# KiCad board USB Cable Tester.kicad_pcb (continued)
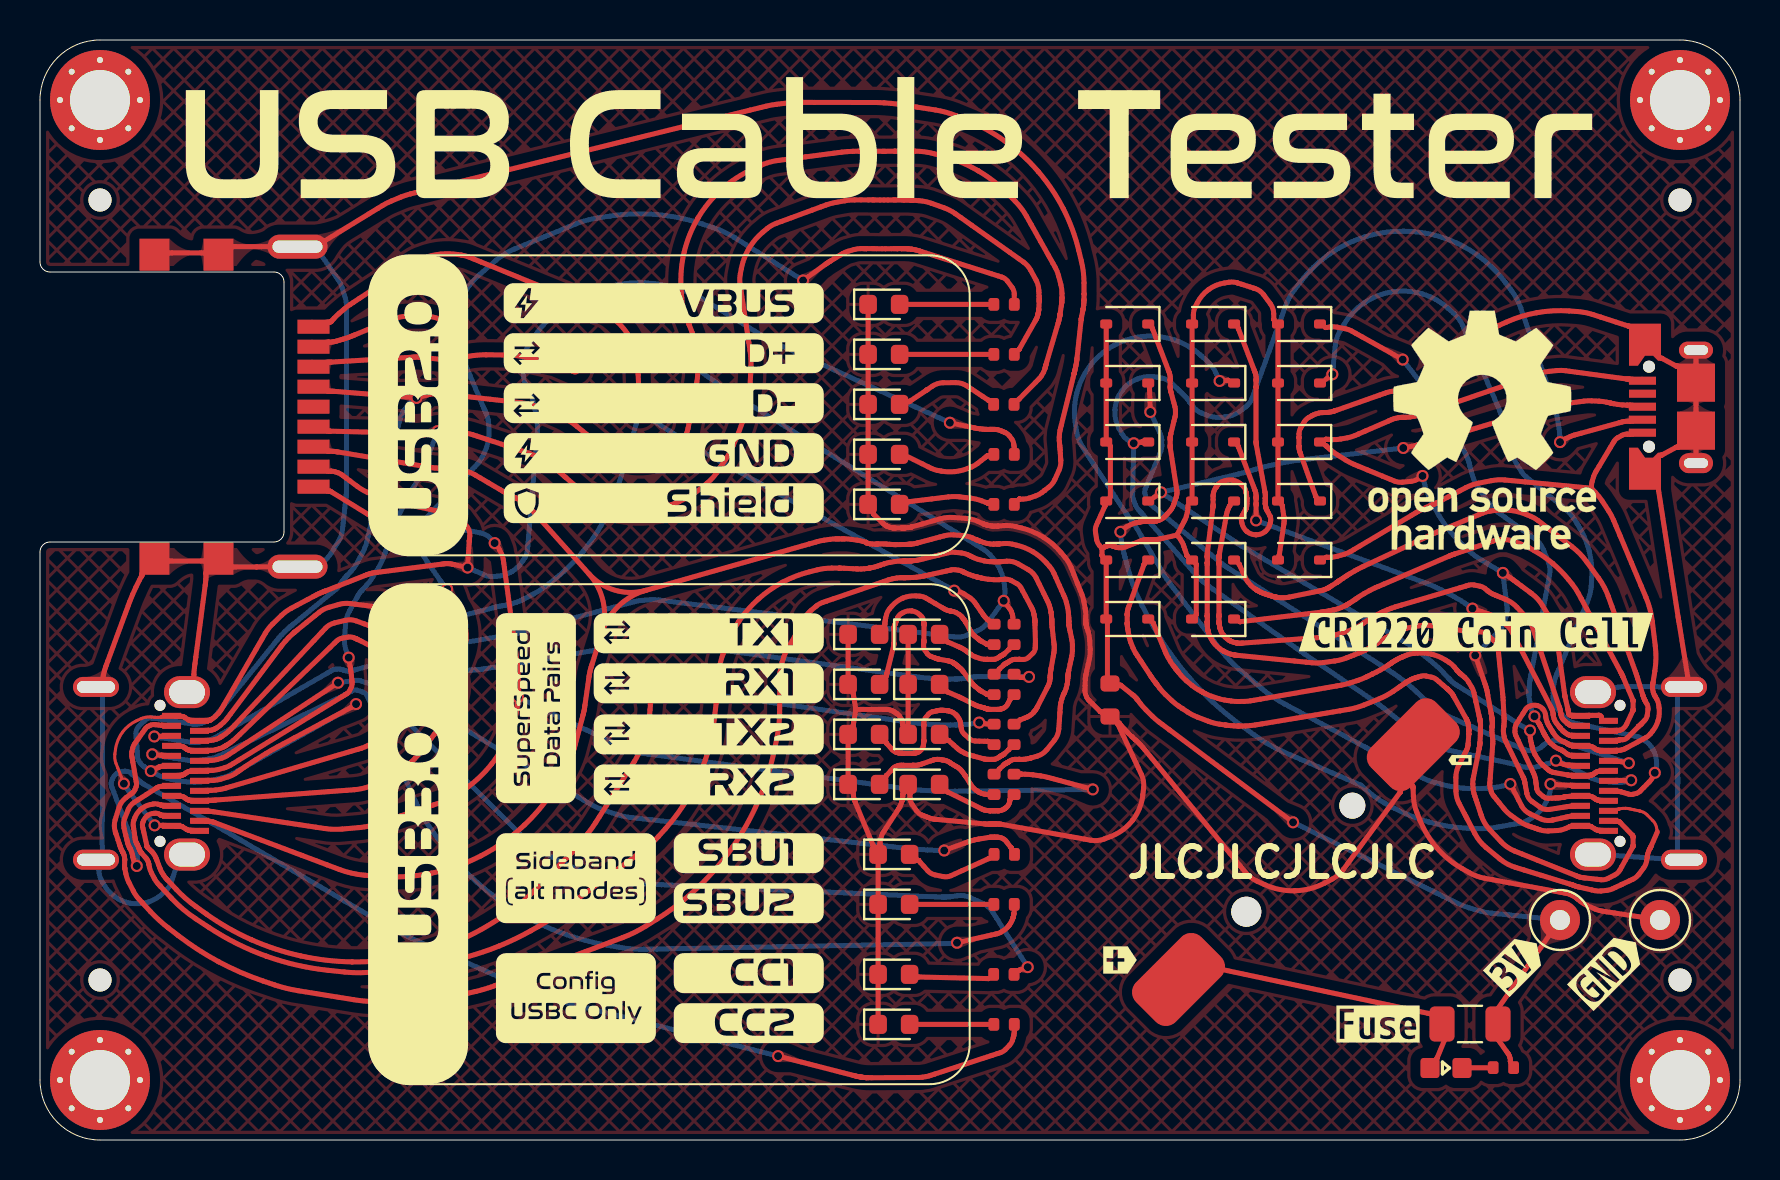
[diagram p0: board, top side]
## Routing (per net, layer and track width the routed paths; a pad name or vN(x,y) marks a point on that pad's centre or on a via; arc(x,y) is an arc through that point) (continued)
/SHLD: length 122
  Top w0.25: 48.96,32.04 48.96,32.04 arc(48.96,32.04) 48.96,32.04 48.96,32.04 arc(48.96,32.04) 48.96,32.04 48.97,32.04 arc(48.97,32.04) 48.97,32.04 49.15,32.04 arc(49.31,32.06) 49.47,32.1 49.79,32.21 arc(49.95,32.27) 50.09,32.37 50.21,32.46 arc(50.22,32.47) 50.23,32.47 arc(50.23,32.48) 50.24,32.49 50.44,32.64 arc(50.61,32.81) 50.74,33.02 50.95,33.49 arc(51.02,33.73) 51.04,33.97 51,34.56 arc(51,34.6) 51,34.63 arc(50.99,34.67) 50.99,34.7 50.96,34.96 arc(50.96,35.05) 50.96,35.13 50.97,35.31 arc(50.98,35.4) 51,35.49 51.07,35.74 51.7,38.32 arc(51.7,38.32) 51.7,38.32 arc(51.7,38.32) 51.7,38.32 51.71,38.33 arc(51.71,38.33) 51.71,38.33 arc(51.71,38.33) 51.71,38.34 51.71,38.35 arc(51.71,38.36) 51.72,38.37 arc(51.72,38.38) 51.72,38.39 51.73,38.41 arc(51.73,38.43) 51.74,38.46 51.74,38.47 arc(51.75,38.51) 51.76,38.55 51.8,38.76 arc(51.81,38.8) 51.82,38.84 51.83,38.91 arc(51.83,38.94) 51.84,38.98 51.85,39.09 52.06,41.01 arc(52.06,41.01) 52.06,41.02 arc(52.06,41.03) 52.06,41.04 52.06,41.06 arc(52.06,41.07) 52.07,41.08 52.08,41.14 52.13,41.43 arc(52.14,41.47) 52.15,41.51 52.16,41.55 arc(52.16,41.55) 52.16,41.55 52.18,41.74 arc(52.18,41.74) 52.18,41.74 52.18,41.77 arc(52.19,41.81) 52.19,41.84 52.2,41.91 arc(52.2,41.94) 52.2,41.98 52.2,42.01 arc(52.2,42.01) 52.2,42.01 arc(52.2,42.01) 52.2,42.01 52.2,42.29 arc(52.2,42.3) 52.2,42.3 52.2,42.85 arc(52.17,43.41) 52.07,43.95 51.93,44.5 arc(51.61,45.56) 51.16,46.57 arc(50.59,47.53) 49.92,48.41 arc(49.15,49.21) 48.29,49.91 arc(47.35,50.51) 46.35,50.99 45.83,51.2 arc(45.31,51.38) 44.76,51.5 43.46,51.7 42.92,51.79 arc(42.74,51.81) 42.56,51.83 42.19,51.86 arc(42.01,51.87) 41.83,51.87 41,51.88 arc(41,51.88) 41,51.88 38.71,51.88 37.9,51.88 arc(37.63,51.87) 37.36,51.85 36.82,51.78 arc(36.55,51.74) 36.28,51.69 35.49,51.49 19.27,47.49 18.53,47.31 arc(18.28,47.24) 18.04,47.15 17.57,46.95 arc(17.33,46.84) 17.11,46.72 16.45,46.31 14.22,44.95 arc(14.08,44.86) 13.94,44.77 13.81,44.69 arc(13.8,44.68) 13.79,44.67 arc(13.77,44.67) 13.76,44.67 J1.10 9.61,44.67 arc(9.55,44.66) 9.5,44.63 9.19,44.44 arc(8.91,44.32) 8.61,44.31 8.36,44.35 arc(8.3,44.35) 8.24,44.35 6.41,44.35 arc(6.35,44.35) 6.29,44.35 5.72,44.27 ; J2.S1 2.95,22.65 arc(3.04,22.69) 3.09,22.78 3.12,23.02 arc(3.14,23.13) 3.16,23.23 3.22,23.44 arc(3.25,23.55) 3.28,23.65 3.39,23.95 4.27,26.35 4.48,26.91 arc(4.55,27.1) 4.63,27.28 4.8,27.65 arc(4.88,27.83) 4.98,28.01 5.09,28.21 arc(5.09,28.22) 5.09,28.23 5.1,28.24 arc(5.1,28.25) 5.1,28.26 5.1,28.33 arc(5.11,28.39) 5.14,28.44 5.51,28.83 arc(5.75,28.99) 6.04,29.01 6.29,28.96 arc(6.35,28.95) 6.41,28.95 8.24,28.95 arc(8.3,28.95) 8.36,28.96 8.61,29.01 ; 9.19,28.89 9.5,28.69 arc(9.55,28.66) 9.61,28.65 10.81,28.65 arc(10.82,28.65) 10.83,28.65 arc(10.84,28.65) 10.84,28.65 11.52,28.66 arc(11.97,28.67) 12.42,28.67 J1.10 ; 9.19,28.89 arc(8.94,28.95) 8.71,28.83 ; 9.19,28.89 arc(8.91,29.01) 8.61,29.01 ; 8.61,29.01 arc(8.72,28.96) 8.71,28.83 ; J2.S1 7.69,22.39 arc(7.7,22.4) 7.7,22.4 arc(7.7,22.41) 7.7,22.43 7.69,22.59 arc(7.68,22.76) 7.68,22.93 7.69,23.28 arc(7.7,23.45) 7.72,23.62 7.79,24.14 8.26,27.73 8.28,27.89 arc(8.29,27.94) 8.29,28 8.3,28.11 arc(8.3,28.16) 8.3,28.21 8.3,28.33 arc(8.31,28.39) 8.34,28.44 8.71,28.83
  Bottom w0.25: J1.10 13.77,28.67 arc(13.77,28.67) 13.78,28.67 arc(13.78,28.67) 13.78,28.67 14.07,28.85 arc(14.33,29.06) 14.54,29.32 14.9,29.9 arc(15.05,30.2) 15.12,30.53 15.24,31.55 15.31,32.24 arc(15.32,32.28) 15.32,32.33 15.32,32.41 arc(15.32,32.45) 15.33,32.5 15.33,35.45 15.33,38.01 15.33,41.67 arc(15.31,41.9) 15.26,42.13 15.12,42.58 arc(15.03,42.8) 14.91,43 14.51,43.59 14.03,44.3 arc(13.72,44.57) 13.32,44.67 J1.10 ; J2.S1 7.18,14.27 arc(7.03,14.23) 6.95,14.11 6.58,12.92 arc(6.49,12.72) 6.35,12.54 6.19,12.38 arc(5.84,12.1) 5.44,11.91 arc(5,11.82) 4.55,11.83 arc(4.12,11.95) 3.73,12.17 arc(3.4,12.47) 3.15,12.84 3.05,13.04 arc(2.97,13.25) 2.95,13.47 2.95,13.94 arc(2.93,13.99) 2.87,14.01 2.96,14.01 arc(3.08,14.06) 3.12,14.18 3.09,15.6 3.09,15.72 arc(3.09,15.76) 3.09,15.8 3.09,15.88 arc(3.1,15.92) 3.1,15.96 3.11,16.08 arc(3.12,16.12) 3.12,16.16 3.12,16.24 arc(3.12,16.28) 3.12,16.32 3.12,19.07 arc(3.12,19.08) 3.12,19.09 3.12,20.12 arc(3.12,20.17) 3.12,20.22 3.12,20.25 arc(3.12,20.27) 3.12,20.28 arc(3.12,20.3) 3.12,20.31 3.12,20.35 arc(3.12,20.4) 3.13,20.46 3.13,22.49 arc(3.08,22.61) 2.96,22.65 J2.S1
/TX1+: length 72.9
  Top w0.25: J2.A2 8.26,20.48 arc(8.33,20.48) 8.39,20.48 8.49,20.48 arc(8.54,20.49) 8.58,20.49 8.66,20.52 arc(8.7,20.53) 8.73,20.55 8.87,20.63 arc(8.96,20.69) 9.04,20.75 9.19,20.89 arc(9.26,20.96) 9.33,21.04 9.52,21.29 12.09,24.73 arc(12.17,24.84) 12.26,24.93 12.44,25.12 arc(12.53,25.21) 12.62,25.3 12.72,25.39 arc(12.73,25.39) 12.73,25.39 12.77,25.42 arc(12.81,25.46) 12.85,25.49 13.32,25.87 13.96,26.39 arc(14.19,26.53) 14.44,26.63 14.96,26.78 arc(15.23,26.83) 15.5,26.82 16.31,26.72 v1(16.97,26.64) ; 13.68,40.67 14.29,40.87 arc(14.35,40.89) 14.41,40.89 14.49,40.89 arc(14.5,40.89) 14.51,40.9 14.54,40.91 arc(14.55,40.91) 14.56,40.92 14.7,41.08 arc(14.83,41.21) 14.96,41.33 15.23,41.56 arc(15.37,41.68) 15.52,41.78 15.96,42.08 18.14,43.51 18.66,43.86 arc(18.84,43.96) 19.03,44.04 19.23,44.11 arc(19.63,44.23) 20.04,44.3 arc(20.45,44.31) 20.87,44.28 21.08,44.25 arc(21.28,44.2) 21.48,44.14 22.06,43.9 27.32,41.75 arc(27.55,41.65) 27.79,41.55 28,41.46 arc(28.02,41.45) 28.04,41.45 28.25,41.35 arc(28.44,41.24) 28.62,41.11 28.79,40.97 arc(29.1,40.67) 29.36,40.33 arc(29.58,39.95) 29.74,39.55 29.81,39.34 arc(29.86,39.13) 29.88,38.92 29.91,38.26 v1(29.98,36.38) ; 47.41,26 47.36,26.04 arc(47.33,26.07) 47.3,26.09 47.25,26.16 arc(47.22,26.19) 47.2,26.22 46.74,26.87 arc(46.63,27) 46.5,27.11 46.21,27.3 arc(46.06,27.38) 45.9,27.43 v1(45.71,27.47)
  Bottom w0.25: v1(16.97,26.64) 17.06,26.65 arc(17.13,26.67) 17.21,26.67 17.36,26.69 arc(17.44,26.7) 17.52,26.7 18.51,26.72 arc(18.62,26.72) 18.72,26.7 18.93,26.64 arc(19.03,26.61) 19.12,26.56 19.72,26.2 arc(19.85,26.14) 20,26.11 20.29,26.06 arc(20.44,26.06) 20.58,26.08 21.01,26.19 22.63,26.61 22.8,26.65 arc(22.86,26.66) 22.91,26.67 23.02,26.7 arc(23.08,26.71) 23.14,26.72 23.34,26.75 arc(23.46,26.77) 23.58,26.81 23.83,26.89 arc(23.95,26.93) 24.06,26.98 24.63,27.28 arc(25.04,27.52) 25.43,27.8 25.81,28.1 arc(26.52,28.74) 27.17,29.45 arc(27.74,30.22) 28.23,31.04 28.45,31.46 arc(28.65,31.9) 28.81,32.35 29.21,33.74 v1(29.98,36.38) 32.66,34.71 arc(32.89,34.57) 33.12,34.43 arc(33.36,34.29) 33.59,34.16 v1(45.71,27.47)
/TX1-: length 84.8
  Top w0.25: 13.68,38.67 14.29,38.87 arc(14.35,38.89) 14.41,38.89 14.45,38.89 arc(14.47,38.89) 14.5,38.89 arc(14.53,38.89) 14.56,38.9 18.62,39.14 18.74,39.15 arc(18.78,39.15) 18.83,39.15 18.91,39.15 arc(18.95,39.15) 18.99,39.14 19.12,39.13 20.25,39.01 arc(20.32,39) 20.4,39.01 20.54,39.01 arc(20.62,39.02) 20.69,39.03 21.3,39.16 arc(21.8,39.24) 22.31,39.26 23.33,39.25 arc(23.84,39.22) 24.34,39.13 v1(26.75,38.58) ; J2.A3 8.26,19.98 arc(8.33,19.98) 8.39,19.98 8.53,19.98 arc(8.6,19.99) 8.68,20 8.82,20.04 arc(8.89,20.07) 8.96,20.1 9.02,20.14 arc(9.03,20.14) 9.03,20.14 9.12,20.19 arc(9.19,20.24) 9.27,20.3 9.41,20.41 arc(9.48,20.47) 9.54,20.54 9.73,20.74 13.7,24.98 14.27,25.59 arc(14.48,25.76) 14.73,25.86 15.28,25.99 arc(15.54,26.01) 15.81,25.95 16.63,25.65 arc(16.64,25.65) 16.66,25.65 16.68,25.64 arc(16.7,25.63) 16.71,25.63 16.75,25.62 v1(18.44,25.21) ; v1(48.19,26.96) 48.51,26.54 arc(48.55,26.48) 48.57,26.41 48.62,26.27 arc(48.64,26.21) 48.64,26.13 48.64,26.06
  Bottom w0.25: v1(18.44,25.21) 18.44,25.21 arc(18.45,25.21) 18.46,25.2 18.52,25.18 arc(18.53,25.18) 18.55,25.17 arc(18.56,25.17) 18.57,25.17 18.67,25.14 arc(18.78,25.1) 18.9,25.07 19.74,24.83 arc(19.9,24.79) 20.05,24.78 20.37,24.76 arc(20.52,24.76) 20.68,24.78 21.14,24.86 23.33,25.24 arc(23.36,25.24) 23.39,25.25 23.41,25.25 arc(23.42,25.25) 23.43,25.25 23.5,25.27 arc(23.56,25.28) 23.63,25.29 23.75,25.32 arc(23.81,25.33) 23.88,25.35 24.06,25.4 29.1,26.75 29.7,26.91 arc(29.9,26.96) 30.11,26.98 30.53,27.01 arc(30.73,27.01) 30.94,27 31.56,26.92 44.81,25.27 45.74,25.15 arc(46.04,25.15) 46.33,25.24 46.91,25.48 arc(47.17,25.64) 47.38,25.86 47.93,26.62 v1(48.19,26.96) 48.23,27.17 arc(48.25,27.36) 48.24,27.55 48.22,27.74 arc(48.15,28.11) 48.03,28.48 arc(47.85,28.81) 47.62,29.12 47.5,29.27 arc(47.36,29.4) 47.21,29.51 46.71,29.82 34.81,37.2 arc(34.64,37.31) 34.47,37.41 arc(34.3,37.53) 34.14,37.64 32.34,38.91 31.77,39.32 arc(31.57,39.44) 31.35,39.53 31.13,39.61 arc(30.68,39.74) 30.22,39.8 arc(29.76,39.8) 29.3,39.74 29.07,39.69 arc(28.84,39.63) 28.63,39.54 28,39.22 v1(26.75,38.58)
/TX2+: length 54.4
  Top w0.25: v1(46.96,20.87) 47.38,20.79 ; J2.B2 6.29,16.23 arc(6.23,16.23) 6.16,16.23 6.09,16.23 arc(6.08,16.23) 6.08,16.24 6.06,16.24 arc(6.05,16.24) 6.05,16.25 6.04,16.25 arc(6.04,16.25) 6.04,16.25 5.96,16.3 arc(5.88,16.33) 5.79,16.34 5.7,16.33 arc(5.53,16.3) 5.37,16.22 arc(5.25,16.1) 5.17,15.94 5.14,15.86 arc(5.12,15.77) 5.12,15.69 5.35,14.68 arc(5.35,14.67) 5.36,14.66 5.37,14.65 arc(5.37,14.64) 5.38,14.63 arc(5.38,14.63) 5.39,14.62 5.61,14.4 arc(5.65,14.36) 5.68,14.31 5.74,14.22 arc(5.77,14.18) 5.79,14.13 6.02,13.53 arc(6.05,13.45) 6.1,13.37 6.19,13.22 arc(6.24,13.15) 6.3,13.09 6.35,13.03 arc(6.36,13.02) 6.36,13.02 arc(6.37,13.01) 6.37,13.01 6.81,12.53 arc(7.27,12.08) 7.78,11.68 8.31,11.3 arc(9.41,10.6) 10.56,10.02 arc(11.77,9.55) 13.03,9.21 arc(14.31,8.99) 15.6,8.91 arc(16.9,8.95) 18.18,9.13 arc(19.45,9.43) 20.67,9.86 arc(21.85,10.41) 22.96,11.07 23.5,11.43 arc(24.02,11.82) 24.5,12.26 26.56,14.33 arc(26.78,14.57) 27,14.83 27.41,15.34 arc(27.6,15.61) 27.79,15.88 28.32,16.71 29.71,18.92 arc(29.9,19.26) 30.05,19.62 30.3,20.37 arc(30.41,20.74) 30.47,21.13 v1(30.61,22.72)
  Bottom w0.25: v1(46.96,20.87) 46.8,20.84 arc(46.67,20.82) 46.53,20.8 46.26,20.78 arc(46.12,20.77) 45.99,20.76 45.77,20.76 45.51,20.75 arc(45.2,20.75) 44.89,20.76 44.28,20.8 arc(43.97,20.82) 43.67,20.86 42.75,20.99 v1(30.61,22.72)
/TX2-: length 69.8
  Top w0.25: J2.B3 6.29,16.73 arc(6.23,16.73) 6.16,16.73 6.1,16.73 arc(6.09,16.73) 6.09,16.73 6.08,16.74 arc(6.07,16.74) 6.07,16.74 arc(6.06,16.74) 6.06,16.74 arc(6.05,16.74) 6.05,16.74 5.92,16.78 arc(5.79,16.81) 5.66,16.8 5.52,16.77 arc(5.27,16.69) 5.05,16.54 arc(4.86,16.34) 4.74,16.11 4.69,15.98 arc(4.66,15.85) 4.66,15.72 4.76,15.03 arc(4.77,15) 4.78,14.97 4.8,14.9 arc(4.81,14.87) 4.83,14.84 4.84,14.82 arc(4.84,14.81) 4.85,14.8 4.87,14.77 arc(4.88,14.74) 4.9,14.71 4.93,14.64 arc(4.94,14.61) 4.95,14.58 4.97,14.51 arc(4.98,14.49) 4.99,14.47 5.01,14.43 arc(5.03,14.42) 5.04,14.4 5.06,14.37 arc(5.07,14.36) 5.08,14.35 arc(5.08,14.34) 5.09,14.33 5.32,14.07 arc(5.34,14.04) 5.36,14.01 5.4,13.94 arc(5.41,13.9) 5.42,13.86 5.47,13.65 arc(5.51,13.5) 5.57,13.35 5.72,13.07 arc(5.8,12.94) 5.9,12.82 6.04,12.66 6.57,12.09 arc(7.15,11.54) 7.79,11.06 8.46,10.62 arc(9.85,9.82) 11.32,9.19 arc(12.85,8.74) 14.43,8.48 15.23,8.4 arc(16.03,8.36) 16.83,8.42 18.78,8.69 20.02,8.86 arc(20.45,8.93) 20.87,9.03 21.3,9.14 arc(22.14,9.4) 22.96,9.7 arc(23.76,10.06) 24.54,10.46 24.92,10.68 arc(25.3,10.9) 25.66,11.15 26.72,11.94 28.96,13.6 30.18,14.5 arc(30.57,14.82) 30.92,15.17 31.26,15.55 arc(31.89,16.33) 32.44,17.18 arc(32.9,18.07) 33.27,19.01 33.43,19.49 arc(33.56,19.97) 33.65,20.47 33.81,21.85 33.86,22.23 arc(33.87,22.34) 33.88,22.44 arc(33.89,22.54) 33.89,22.65 33.89,22.68 arc(33.9,22.81) 33.91,22.95 33.93,23.12 arc(33.93,23.14) 33.93,23.16 33.97,23.55 arc(34.03,23.92) 34.14,24.27 34.27,24.62 arc(34.57,25.3) 34.94,25.93 arc(35.39,26.52) 35.91,27.04 arc(36.49,27.5) 37.12,27.89 arc(37.8,28.19) 38.5,28.42 38.86,28.51 arc(39.23,28.57) 39.59,28.6 39.97,28.6 arc(39.97,28.6) 39.97,28.6 40.05,28.59 arc(40.13,28.59) 40.21,28.59 40.89,28.55 arc(40.97,28.55) 41.05,28.55 41.21,28.56 arc(41.29,28.57) 41.37,28.58 41.45,28.59 arc(41.45,28.59) 41.45,28.59 arc(41.46,28.59) 41.46,28.59 41.51,28.6 arc(41.57,28.61) 41.63,28.63 41.74,28.65 arc(41.8,28.67) 41.85,28.69 42.24,28.82 arc(42.37,28.85) 42.49,28.88 42.75,28.92 arc(42.88,28.94) 43.01,28.95 43.18,28.95 arc(43.18,28.95) 43.18,28.95 43.19,28.95 arc(43.2,28.95) 43.21,28.95 43.23,28.95 arc(43.25,28.95) 43.27,28.95 43.29,28.95 arc(43.29,28.95) 43.29,28.95 43.34,28.95 arc(43.37,28.95) 43.41,28.95 43.44,28.95 arc(43.46,28.95) 43.47,28.95 arc(43.48,28.95) 43.5,28.95 43.53,28.96 arc(43.53,28.96) 43.53,28.96 43.56,28.96 arc(43.56,28.96) 43.57,28.96 43.63,28.96 arc(43.69,28.97) 43.76,28.97 43.88,28.99 arc(43.94,29) 44,29.02 44.18,29.06 44.93,29.24 45.42,29.36 arc(45.58,29.39) 45.75,29.39 46.08,29.35 arc(46.25,29.32) 46.4,29.26 46.69,29.11 arc(46.81,29.06) 46.94,29.02 47.2,28.96 arc(47.33,28.93) 47.46,28.92 47.76,28.91 arc(47.8,28.91) 47.84,28.91 47.91,28.91 arc(47.95,28.91) 47.98,28.91 48.01,28.91 arc(48.02,28.92) 48.03,28.92 arc(48.04,28.92) 48.05,28.92 48.34,28.94 arc(48.63,28.92) 48.9,28.81 49.42,28.51 arc(49.65,28.33) 49.81,28.09 50.29,27.13 50.4,26.89 arc(50.44,26.81) 50.47,26.73 50.52,26.56 arc(50.54,26.47) 50.55,26.38 50.58,26.18 arc(50.58,26.13) 50.59,26.08 50.59,26.05 arc(50.59,26.04) 50.59,26.02 arc(50.59,26.01) 50.59,26 50.59,25.93 arc(50.59,25.92) 50.59,25.91 arc(50.59,25.9) 50.59,25.9 50.59,25.87 arc(50.59,25.83) 50.59,25.8 50.6,25.73 arc(50.6,25.69) 50.6,25.66 50.71,24.74 arc(50.71,24.68) 50.71,24.62 50.71,24.5 arc(50.7,24.44) 50.7,24.38 50.54,23.51 arc(50.54,23.48) 50.53,23.44 50.52,23.38 arc(50.52,23.34) 50.52,23.31 50.51,23.23 arc(50.51,23.2) 50.51,23.16 50.51,23.13 arc(50.51,23.13) 50.51,23.12 arc(50.51,23.11) 50.51,23.11 50.5,23.06 arc(50.5,23) 50.49,22.94 50.46,22.83 arc(50.44,22.78) 50.42,22.73 50.34,22.57 49.84,21.6 arc(49.83,21.58) 49.81,21.56 49.78,21.51 arc(49.77,21.49) 49.75,21.47 49.67,21.36 arc(49.62,21.32) 49.58,21.28 49.48,21.21 arc(49.43,21.18) 49.38,21.15 49.01,21 arc(49,21) 49,21 49,21 arc(49,21) 49,21 49,21
/USB_GND: length 80.8
  Top w0.15: v1(4.2,17.82) 3.89,18.61 3.8,18.83 arc(3.74,19.06) 3.74,19.29 3.77,19.53 arc(3.89,19.98) 4.12,20.39 arc(4.45,20.73) 4.84,20.97 5.06,21.07 arc(5.29,21.14) 5.52,21.15 5.75,21.13 arc(5.76,21.13) 5.77,21.13 5.77,21.13 arc(5.78,21.13) 5.78,21.13 arc(5.78,21.13) 5.78,21.13 5.87,21.13 arc(5.88,21.13) 5.88,21.13 arc(5.88,21.13) 5.89,21.13 6.06,21.15 arc(6.07,21.15) 6.07,21.15 6.09,21.16 arc(6.09,21.17) 6.1,21.17 6.1,21.18 arc(6.1,21.18) 6.1,21.18 arc(6.1,21.18) 6.1,21.18 6.14,21.18 arc(6.18,21.18) 6.21,21.19 6.4,21.2
  Top w0.25: v1(5.73,15.73) 6.16,15.73 arc(6.23,15.73) 6.29,15.73 6.4,15.72 arc(6.58,15.71) 6.75,15.7 6.86,15.69 arc(6.93,15.68) 6.99,15.68 7.06,15.68 arc(7.07,15.68) 7.08,15.68 7.09,15.68 arc(7.1,15.67) 7.11,15.67 7.35,15.52 arc(7.37,15.51) 7.39,15.5 7.43,15.49 arc(7.46,15.48) 7.48,15.48 7.56,15.48 arc(7.63,15.48) 7.69,15.48 J2.A12 ; 48.71,34.6 48.68,34.84 arc(48.65,34.95) 48.59,35.04 48.45,35.23 arc(48.38,35.3) 48.28,35.36 48.02,35.47 arc(47.97,35.49) 47.93,35.5 47.83,35.52 arc(47.79,35.53) 47.74,35.53 47.58,35.53 arc(47.56,35.53) 47.53,35.53 47.52,35.53 arc(47.51,35.53) 47.5,35.53 47.5,35.53 arc(47.49,35.53) 47.48,35.53 arc(47.48,35.53) 47.47,35.53 47.46,35.53 arc(47.45,35.53) 47.44,35.53 47.44,35.53 arc(47.42,35.53) 47.41,35.53 47.38,35.53 arc(47.37,35.53) 47.35,35.53 47.13,35.54 arc(47.07,35.55) 47.01,35.56 46.88,35.57 arc(46.82,35.58) 46.77,35.59 46.59,35.63 v1(45.49,35.86) ; 13.68,33.67 14.29,33.46 arc(14.35,33.45) 14.41,33.44 14.57,33.44 arc(14.66,33.43) 14.74,33.41 14.92,33.36 arc(15,33.32) 15.08,33.27 15.86,32.68 arc(16.11,32.52) 16.36,32.39 16.89,32.15 arc(17.16,32.04) 17.44,31.97 18.29,31.79 20.7,31.28 arc(20.91,31.19) 21.08,31.03 21.37,30.64 arc(21.47,30.43) 21.49,30.2 21.47,29.96 21.46,29.95 arc(21.46,29.93) 21.46,29.91 v1(21.38,28.62) 20.57,28.8 arc(20.52,28.81) 20.47,28.81 20.36,28.82 arc(20.3,28.82) 20.25,28.81 20.09,28.79 16.86,28.38 16.7,28.36 arc(16.65,28.35) 16.59,28.34 16.49,28.31 arc(16.44,28.3) 16.39,28.28 16.24,28.22 14.27,27.45 arc(14.25,27.44) 14.24,27.44 arc(14.23,27.44) 14.22,27.43 14.15,27.41 arc(14.09,27.38) 14.04,27.36 13.93,27.31 arc(13.88,27.29) 13.83,27.26 13.38,27.02 12.56,26.59 arc(12.31,26.42) 12.07,26.23 11.63,25.8 arc(11.43,25.58) 11.26,25.32 10.8,24.53 9.05,21.5 arc(8.99,21.41) 8.92,21.33 8.78,21.19 arc(8.7,21.12) 8.61,21.06 8.52,21 arc(8.51,21) 8.51,21 8.51,21 arc(8.5,20.99) 8.49,20.99 8.48,20.99 arc(8.47,20.98) 8.46,20.98 8.39,20.98 arc(8.33,20.98) 8.26,20.98 8.15,20.97 arc(7.98,20.96) 7.8,20.97 7.69,20.98 arc(7.63,20.98) 7.56,20.98 7.51,20.98 arc(7.5,20.98) 7.49,20.98 arc(7.48,20.98) 7.47,20.99 7.46,20.99 arc(7.45,20.99) 7.44,21 7.2,21.15 arc(7.18,21.16) 7.16,21.16 7.12,21.18 arc(7.1,21.18) 7.07,21.18 6.99,21.18 arc(6.93,21.18) 6.86,21.19 6.75,21.2 arc(6.58,21.2) 6.4,21.2
  Bottom w0.25: v1(21.38,28.62) 22.25,28.24 arc(22.44,28.18) 22.63,28.17 22.83,28.18 arc(23.22,28.25) 23.58,28.41 arc(23.89,28.65) 24.14,28.96 24.25,29.13 arc(24.33,29.31) 24.37,29.5 24.42,30.11 24.79,34.39 24.87,35.34 arc(24.87,35.66) 24.84,35.97 24.73,36.6 arc(24.66,36.91) 24.55,37.2 24.27,37.83 arc(24.17,38.14) 24.16,38.47 24.22,39.14 arc(24.29,39.46) 24.44,39.76 24.65,40.07 24.88,40.39 arc(25.13,40.71) 25.42,41 25.73,41.27 arc(26.39,41.77) 27.1,42.18 arc(27.85,42.5) 28.64,42.72 arc(29.46,42.84) 30.28,42.85 arc(31.09,42.77) 31.89,42.57 32.29,42.45 arc(32.67,42.31) 33.03,42.11 34.09,41.46 36.26,40.12 36.4,40.04 arc(36.45,40.01) 36.49,39.98 36.59,39.93 arc(36.63,39.91) 36.68,39.88 36.83,39.82 v1(45.49,35.86) ; v1(5.73,15.73) 4.33,17.58 arc(4.31,17.61) 4.29,17.64 4.25,17.71 arc(4.23,17.74) 4.22,17.77 4.2,17.8 arc(4.2,17.81) 4.2,17.81 v1(4.2,17.82)
Net-(B1-+): length 12.2
  Top w0.25: 69.85,4.09 69.85,4.1 arc(69.85,4.1) 69.85,4.1 arc(69.86,4.1) 69.86,4.1 70.27,5.1 arc(70.27,5.1) 70.27,5.1 70.27,5.11 arc(70.27,5.11) 70.27,5.11 ; 70.07,6.13 70.07,6.13 arc(70.06,6.13) 70.05,6.13 70.04,6.14 arc(70.03,6.14) 70.03,6.14 70.02,6.14 arc(70.01,6.15) 70.01,6.15 69.99,6.16 arc(69.99,6.16) 69.99,6.16 69.93,6.18 arc(69.88,6.21) 69.82,6.23 69.7,6.26 arc(69.64,6.28) 69.58,6.3 69.41,6.33 59.23,8.5
Net-(D1-K): length 28.1
  Top w0.25: v1(74.72,21.18) 74.86,20.96 arc(74.89,20.91) 74.92,20.86 74.95,20.82 arc(74.96,20.81) 74.96,20.8 74.97,20.78 arc(74.98,20.77) 74.99,20.76 75,20.74 arc(75.01,20.72) 75.01,20.71 75.01,20.71 arc(75.02,20.7) 75.02,20.7 arc(75.02,20.69) 75.02,20.68 75.03,20.66 arc(75.05,20.63) 75.06,20.6 75.17,20.37 arc(75.18,20.36) 75.19,20.34 75.2,20.32 arc(75.21,20.3) 75.22,20.29 75.38,20.02 arc(75.44,19.93) 75.53,19.85 75.71,19.69 arc(75.8,19.62) 75.9,19.57 76.01,19.53 arc(76.01,19.53) 76.02,19.53 arc(76.02,19.52) 76.03,19.52 76.04,19.52 arc(76.06,19.51) 76.08,19.5 76.11,19.48 arc(76.13,19.47) 76.15,19.46 76.37,19.28 arc(76.4,19.27) 76.42,19.26 76.47,19.24 arc(76.5,19.24) 76.52,19.23 76.61,19.23 arc(76.67,19.23) 76.74,19.23 J4.A8 ; v1(68.14,39.02) 65.6,40.44 arc(65.43,40.52) 65.25,40.57 64.87,40.64 arc(64.69,40.66) 64.5,40.65 64.3,40.62 arc(64.29,40.62) 64.29,40.62 arc(64.29,40.62) 64.29,40.62 64.29,40.62 arc(64.28,40.62) 64.28,40.62 arc(64.28,40.63) 64.28,40.63
  Bottom w0.25: v1(68.14,39.02) 70.2,36.34 70.32,36.17 arc(70.36,36.12) 70.4,36.06 70.47,35.95 arc(70.51,35.89) 70.54,35.83 70.63,35.65 71.33,34.21 arc(71.35,34.15) 71.38,34.09 71.42,33.97 arc(71.44,33.91) 71.46,33.85 71.48,33.78 arc(71.48,33.76) 71.48,33.75 71.58,33.36 arc(71.71,32.98) 71.91,32.62 72.37,31.94 arc(72.63,31.62) 72.94,31.36 73.95,30.63 74.77,30.04 arc(75,29.81) 75.17,29.53 75.42,28.9 arc(75.49,28.59) 75.48,28.26 75.29,27.27 74.54,23.22 74.52,23.09 arc(74.51,23.05) 74.5,23.01 74.49,22.93 arc(74.49,22.89) 74.48,22.85 74.48,22.81 arc(74.48,22.81) 74.48,22.8 arc(74.47,22.8) 74.47,22.79 74.47,22.75 arc(74.46,22.7) 74.46,22.65 74.45,22.55 arc(74.45,22.49) 74.45,22.44 74.45,22.24 arc(74.46,22.08) 74.48,21.93 74.55,21.63 arc(74.59,21.48) 74.65,21.34 74.71,21.21 arc(74.71,21.2) 74.72,21.19 v1(74.72,21.18)
Net-(D2-A): length 6
  Top w0.25: 47.38,17.27 47.21,17.3 arc(47.17,17.3) 47.12,17.32 47.03,17.35 arc(46.99,17.37) 46.95,17.39 46.8,17.49 arc(46.76,17.52) 46.72,17.55 46.64,17.63 arc(46.61,17.67) 46.57,17.72 46.27,18.2 arc(46.27,18.21) 46.26,18.21 46.25,18.23 arc(46.24,18.24) 46.24,18.25 46.08,18.46 arc(46.05,18.49) 46.02,18.52 45.95,18.58 arc(45.92,18.61) 45.88,18.63 45.79,18.69 arc(45.73,18.72) 45.68,18.75 45.64,18.78 arc(45.59,18.81) 45.54,18.84 45.45,18.9 arc(45.42,18.92) 45.38,18.93 45.31,18.96 arc(45.27,18.98) 45.23,18.98 44.97,19.03 arc(44.92,19.03) 44.87,19.03 44.77,19.02 arc(44.72,19.02) 44.68,19 44.02,18.78 arc(43.98,18.76) 43.94,18.75 43.85,18.74 arc(43.8,18.73) 43.76,18.73 43.68,18.73 arc(43.67,18.73) 43.66,18.73 43.65,18.73 arc(43.65,18.73) 43.64,18.73 43.63,18.73 arc(43.62,18.73) 43.62,18.73 43.19,18.73 arc(43.19,18.73) 43.18,18.73 43.17,18.73 arc(43.16,18.73) 43.16,18.73 43.15,18.73 arc(43.14,18.73) 43.13,18.73 43.11,18.73 arc(43.1,18.73) 43.08,18.73 43.07,18.73 arc(43.06,18.73) 43.06,18.73 42.99,18.73 arc(42.93,18.73) 42.88,18.71 42.77,18.67 arc(42.72,18.64) 42.67,18.6 42.33,18.22 arc(42.32,18.22) 42.32,18.22 42.32,18.22
Net-(D3-A): length 3.6
  Top w0.25: 45.38,17.41 45.38,17.41 arc(45.38,17.4) 45.38,17.4 45.38,17.4 arc(45.38,17.4) 45.38,17.4 47.05,16.57 47.13,16.53 arc(47.16,16.52) 47.18,16.51 47.24,16.49 arc(47.26,16.49) 47.29,16.48 47.42,16.47 arc(47.43,16.47) 47.45,16.47 47.45,16.47 arc(47.46,16.47) 47.48,16.47 47.49,16.46 arc(47.5,16.46) 47.5,16.46 47.51,16.46 arc(47.52,16.46) 47.52,16.46 arc(47.53,16.46) 47.53,16.46 arc(47.54,16.46) 47.54,16.46 47.56,16.46 arc(47.58,16.46) 47.6,16.46 47.64,16.46 arc(47.64,16.46) 47.64,16.46 arc(47.64,16.46) 47.65,16.46 47.69,16.46 arc(47.7,16.46) 47.7,16.46 arc(47.71,16.46) 47.72,16.46 47.76,16.46 arc(47.76,16.46) 47.76,16.46 arc(47.77,16.46) 47.77,16.46 47.8,16.46 arc(47.82,16.46) 47.85,16.46 47.86,16.46 arc(47.87,16.46) 47.87,16.46 arc(47.88,16.46) 47.88,16.46 arc(47.89,16.46) 47.89,16.46 47.9,16.46 arc(47.91,16.46) 47.91,16.46 47.98,16.47 arc(48.02,16.47) 48.05,16.48 48.12,16.51 arc(48.16,16.52) 48.19,16.54 48.31,16.62 arc(48.36,16.66) 48.39,16.71 48.45,16.82 arc(48.48,16.87) 48.49,16.93 48.49,16.99 arc(48.49,16.99) 48.49,17 48.49,17 arc(48.49,17) 48.49,17 arc(48.49,17.01) 48.49,17.01
Net-(D4-A): length 4
  Top w0.25: 47.42,41.78 43.42,41.78
Net-(D5-K): length 27
  Top w0.25: J4.B2 78.71,20.48 arc(78.77,20.48) 78.84,20.48 78.96,20.48 arc(79.03,20.49) 79.09,20.52 arc(79.23,20.64) 79.33,20.8 79.65,21.47 arc(79.65,21.47) 79.65,21.48 79.65,21.49 arc(79.65,21.5) 79.65,21.51 79.65,21.96 arc(79.65,21.97) 79.65,21.97 79.65,21.98 arc(79.65,21.99) 79.65,22 arc(79.64,22) 79.64,22.01 79.13,23.2 arc(79.12,23.22) 79.11,23.24 79.09,23.28 arc(79.08,23.3) 79.07,23.32 79.04,23.38 77.32,26.58 76.92,27.33 arc(76.78,27.57) 76.61,27.8 76.43,28.01 arc(76.06,28.44) 75.64,28.82 arc(75.2,29.16) 74.72,29.46 74.47,29.6 arc(74.22,29.73) 73.96,29.83 73.7,29.92 arc(73.69,29.92) 73.68,29.93 arc(73.68,29.93) 73.67,29.93 73.55,29.97 arc(73.42,30.01) 73.28,30.02 73.01,30.02 arc(72.88,30.01) 72.74,29.97 72.36,29.84 70.77,29.31 70.68,29.28 arc(70.65,29.27) 70.63,29.26 70.57,29.24 arc(70.54,29.23) 70.52,29.22 70.44,29.19 67.2,27.8 66.76,27.61 arc(66.62,27.54) 66.48,27.47 66.2,27.31 arc(66.06,27.23) 65.93,27.14 65.79,27.05 arc(65.78,27.04) 65.78,27.04 65.74,27.01 arc(65.7,26.99) 65.66,26.96 65.45,26.82 arc(65.43,26.81) 65.42,26.8 65.38,26.78 arc(65.36,26.77) 65.34,26.76 65.33,26.75 arc(65.32,26.75) 65.31,26.74 arc(65.3,26.74) 65.29,26.73 65.23,26.7 arc(65.15,26.66) 65.06,26.62 64.9,26.56 arc(64.82,26.54) 64.73,26.51 64.24,26.42 arc(64.21,26.41) 64.19,26.41 64.14,26.4 arc(64.12,26.4) 64.09,26.39 64.02,26.39 60.01,25.92 arc(60.01,25.92) 60.01,25.92 60,25.92
Net-(D6-K): length 37.1
  Top w0.25: J4.B11 78.71,15.94 arc(78.77,15.93) 78.84,15.93 78.91,15.93 arc(78.92,15.93) 78.94,15.93 78.96,15.92 arc(78.97,15.91) 78.98,15.9 79.63,15.23 arc(79.64,15.22) 79.64,15.21 79.65,15.19 arc(79.65,15.18) 79.65,15.16 79.65,14.71 arc(79.65,14.7) 79.65,14.69 79.65,14.67 arc(79.65,14.67) 79.64,14.66 79.27,14 79,13.5 arc(78.89,13.36) 78.74,13.25 78.4,13.08 arc(78.23,13.02) 78.05,13.01 77.13,13.12 arc(77.09,13.12) 77.05,13.13 76.98,13.15 arc(76.94,13.16) 76.9,13.17 76.79,13.22 74.89,13.98 73.73,14.45 arc(73.37,14.64) 73.06,14.91 72.48,15.52 arc(72.24,15.84) 72.07,16.22 71.81,17 71.7,17.33 arc(71.67,17.44) 71.65,17.56 71.64,17.8 arc(71.64,17.92) 71.66,18.04 71.73,18.4 71.96,19.56 arc(71.96,19.57) 71.96,19.57 arc(71.96,19.58) 71.96,19.58 71.98,19.7 arc(71.99,19.72) 71.99,19.74 71.99,19.78 arc(72,19.8) 72,19.82 72.02,20.24 arc(72.02,20.27) 72.02,20.3 arc(72.02,20.33) 72.02,20.35 72.02,20.48 arc(72.02,20.5) 72.02,20.53 72.02,20.57 arc(72.02,20.6) 72.02,20.62 72.02,20.64 arc(72.02,20.64) 72.02,20.65 arc(72.02,20.65) 72.02,20.65 72.03,20.68 arc(72.03,20.7) 72.03,20.73 72.03,20.78 arc(72.03,20.8) 72.02,20.83 72.01,20.95 arc(72.01,20.97) 72,20.98 72,21.02 arc(71.99,21.04) 71.99,21.05 71.98,21.09 arc(71.98,21.1) 71.98,21.11 71.97,21.15 arc(71.96,21.2) 71.94,21.25 71.7,22.36 arc(71.65,22.5) 71.59,22.64 71.43,22.9 arc(71.34,23.02) 71.24,23.13 71.04,23.3 arc(71.03,23.31) 71.02,23.32 71.01,23.33 arc(71.01,23.33) 71.01,23.33 70.98,23.35 arc(70.96,23.37) 70.94,23.39 70.9,23.43 arc(70.88,23.45) 70.86,23.47 70.85,23.48 arc(70.85,23.49) 70.84,23.49 arc(70.84,23.5) 70.83,23.51 70.72,23.64 arc(70.59,23.78) 70.45,23.89 70.29,23.99 arc(69.97,24.16) 69.62,24.28 69.62,24.28 arc(69.25,24.34) 68.89,24.34 68.7,24.33 arc(68.52,24.3) 68.34,24.25 68.06,24.13 arc(68.03,24.11) 67.99,24.1 67.93,24.07 arc(67.9,24.05) 67.87,24.03 67.74,23.96 arc(67.72,23.95) 67.7,23.94 67.66,23.91 arc(67.64,23.9) 67.62,23.89 67.39,23.73 arc(67.3,23.67) 67.2,23.61 67.01,23.5 arc(66.91,23.44) 66.81,23.39 66.3,23.14 arc(66.1,23.05) 65.89,22.98 65.48,22.84 arc(65.27,22.79) 65.06,22.74 64.41,22.63 60.53,21.96 arc(60.37,21.94) 60.21,21.93 59.89,21.93 arc(59.73,21.93) 59.57,21.95 59.23,22 arc(59.07,22.03) 58.9,22.08 58.58,22.19 arc(58.42,22.25) 58.26,22.32 58.11,22.4 arc(58.11,22.4) 58.11,22.41 arc(58.11,22.41) 58.11,22.41 58.09,22.42 arc(58.09,22.42) 58.09,22.42 arc(58.09,22.42) 58.08,22.42 57.92,22.51 arc(57.76,22.61) 57.61,22.72 57.32,22.96 arc(57.18,23.09) 57.05,23.23 56.94,23.37 arc(56.94,23.37) 56.93,23.38 arc(56.93,23.39) 56.92,23.39 56.91,23.41 arc(56.89,23.44) 56.87,23.46 56.85,23.48 arc(56.83,23.51) 56.81,23.53 56.8,23.55 arc(56.79,23.56) 56.79,23.56 arc(56.79,23.56) 56.78,23.57 56.76,23.6 arc(56.75,23.61) 56.74,23.62 arc(56.74,23.63) 56.73,23.64 56.66,23.72 arc(56.59,23.82) 56.53,23.92 56.41,24.12 arc(56.35,24.23) 56.3,24.33 55.66,25.84 arc(55.66,25.84) 55.66,25.84 arc(55.66,25.84) 55.66,25.84 55.66,25.85